# KiCad board Partial_Drawer_Controller_v1_hotfix.kicad_pcb (continued)
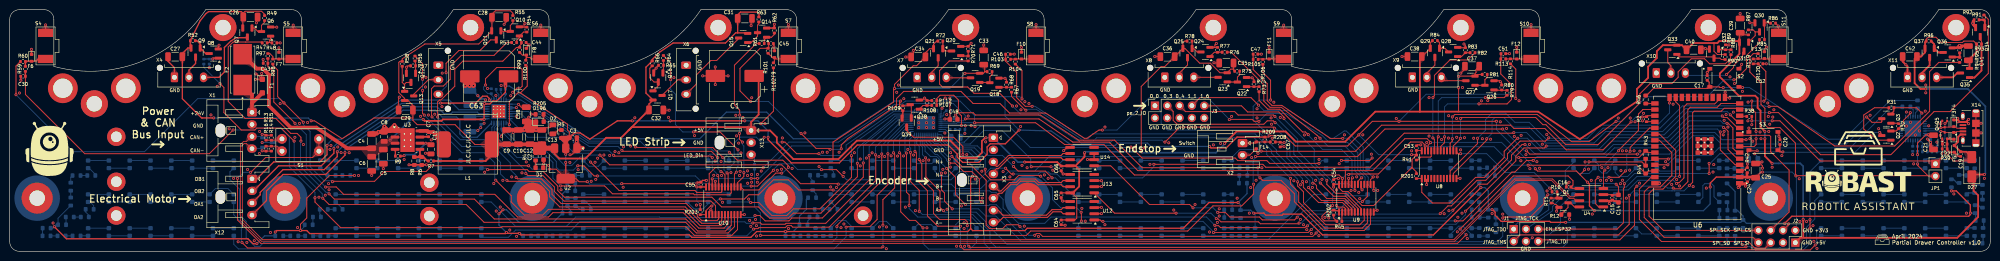
[diagram p0: board, top side]
## Placement (name value [footprint] x y rotation side) (continued)
R29  0  [R_0603_1608Metric]  391.4 29.9 0 bottom
R30  0  [R_0603_1608Metric]  393.7 30.4 270 bottom
R31  10K  [R_0402_1005Metric]  388.3 29.7 180 top
R32  10K  [R_0402_1005Metric]  389.8 25.9 270 top
R33  22K  [R_0402_1005Metric]  397.21 20.6 180 bottom
R34  100  [R_0402_1005Metric]  395.21 20.6 180 bottom
R35  47K  [R_0402_1005Metric]  395.19 21.7 0 bottom
R36  470  [R_0402_1005Metric]  397.21 21.7 0 bottom
R37  1K  [R_0402_1005Metric]  393.7 21.21 270 bottom
R38  1K  [R_0402_1005Metric]  358.99 27.9 0 top
R39  10K  [R_0402_1005Metric]  399.3 21.2 0 top
R40  10K  [R_0402_1005Metric]  392.7 21.21 270 bottom
R41  10K  [R_0402_1005Metric]  290.3 19.4 270 top
R42  10K  [R_0402_1005Metric]  358.57 16.81 90 top
R43  2K7  [R_0603_1608Metric]  337.6 19.98 90 top
R44  2K7  [R_0603_1608Metric]  337.6 16.9 270 top
R45  10K  [R_0402_1005Metric]  274.4 6.2 0 top
R46  22  [R_0603_1608Metric]  337.6 31.4 90 top
R47  100  [R_0402_1005Metric]  52.63 43.12 0 top
R48  10K  [R_0402_1005Metric]  54.63 43.12 0 top
R49  10K  [R_0402_1005Metric]  52.61 48.26 270 top
R50  100  [R_0402_1005Metric]  40.06 39.27 90 bottom
R51  10K  [R_0402_1005Metric]  41.2 39.27 270 bottom
R52  10K  [R_0402_1005Metric]  37.78 43.58 0 top
R53  100  [R_0402_1005Metric]  104.1 43.2 0 top
R54  10K  [R_0402_1005Metric]  106.71 45.88 90 top
R55  10K  [R_0402_1005Metric]  103.84 48.27 270 top
R56  100  [R_0402_1005Metric]  83.63 39.9 270 top
R57  10K  [R_0402_1005Metric]  83.25 38.38 180 top
R58  10K  [R_0402_1005Metric]  81 38.8 270 top
R59  10K  [R_0402_1005Metric]  3.24 37.74 90 top
R60  100K  [R_0402_1005Metric]  2.73 39.27 0 top
R61  100  [R_0402_1005Metric]  155.2 43 0 top
R62  10K  [R_0402_1005Metric]  157.8 45.69 90 top
R63  10K  [R_0402_1005Metric]  154.6 47.98 270 top
R64  100  [R_0402_1005Metric]  134.9 40.01 270 top
R65  10K  [R_0402_1005Metric]  134.41 38.5 180 top
R66  10K  [R_0402_1005Metric]  132.6 38.89 270 top
R67  100  [R_0402_1005Metric]  206.75 33.45 90 top
R68  10K  [R_0402_1005Metric]  205.7 34.48 90 top
R69  10K  [R_0402_1005Metric]  202.22 37.17 0 top
R70  100  [R_0402_1005Metric]  197.8 39.9 90 top
R71  10K  [R_0402_1005Metric]  197.8 41.91 90 top
R72  10K  [R_0402_1005Metric]  192.06 43.5 0 top
R73  100  [R_0402_1005Metric]  257.82 33.55 90 top
R74  10K  [R_0402_1005Metric]  256.77 34.58 90 top
R75  10K  [R_0402_1005Metric]  253.3 37.27 0 top
R76  100  [R_0402_1005Metric]  250.73 41.2 180 top
R77  10K  [R_0402_1005Metric]  249.25 41.69 90 top
R78  10K  [R_0402_1005Metric]  243.48 43.5 0 top
R79  100  [R_0402_1005Metric]  309 32.81 90 top
R80  10K  [R_0402_1005Metric]  307.9 33.89 90 top
R81  10K  [R_0402_1005Metric]  304.39 36.6 0 top
R82  100  [R_0402_1005Metric]  301.89 41.1 180 top
R83  10K  [R_0402_1005Metric]  300.4 41.61 90 top
R84  10K  [R_0402_1005Metric]  294.11 43.6 0 top
R85  100  [R_0402_1005Metric]  361.6 43.8 0 top
R86  10K  [R_0402_1005Metric]  363.89 47.2 0 top
R87  10K  [R_0402_1005Metric]  358.8 45.3 90 top
R88  100  [R_0402_1005Metric]  355.2 41.2 90 top
R89  10K  [R_0402_1005Metric]  354.1 42.21 90 top
R90  10K  [R_0402_1005Metric]  354 40.2 270 top
R91  100  [R_0402_1005Metric]  407.4 48.39 270 top
R92  10K  [R_0402_1005Metric]  405.88 47.9 180 top
R93  10K  [R_0402_1005Metric]  406.4 42.9 0 top
R94  100  [R_0402_1005Metric]  402.4 39.61 90 top
R95  10K  [R_0402_1005Metric]  402.4 41.59 90 top
R96  10K  [R_0402_1005Metric]  396 43.5 0 top
R97  10K  [R_0402_1005Metric]  53.28 40.41 90 top
R98  100K  [R_0402_1005Metric]  54.3 39.27 90 top
R99  10K  [R_0402_1005Metric]  105.22 41.68 270 top
R100  100K  [R_0402_1005Metric]  106.49 39.01 90 top
R101  10K  [R_0402_1005Metric]  156.5 41.5 270 top
R102  100K  [R_0402_1005Metric]  157.6 38.49 90 top
R103  10K  [R_0402_1005Metric]  206.03 39.73 0 top
R104  100K  [R_0402_1005Metric]  207.53 39.26 90 top
R105  10K  [R_0402_1005Metric]  257.11 39.7 0 top
R106  100K  [R_0402_1005Metric]  258.6 39.2 90 top
R107  100  [R_0402_1005Metric]  190.8 30.2 180 top
R108  10K  [R_0402_1005Metric]  189.3 30.7 90 top
R109  10K  [R_0402_1005Metric]  184.3 29.6 90 top
R110  2K2  [R_0402_1005Metric]  194.6 25.2 0 bottom
R111  220  [R_0402_1005Metric]  196.61 25.2 0 bottom
R112  100K  [R_0402_1005Metric]  190.8 31.2 0 top
R113  10K  [R_0402_1005Metric]  308.21 39.8 0 top
R114  100K  [R_0402_1005Metric]  309.7 39.31 90 top
R115  10  [R_0603_1608Metric]  7.62 4.8 180 bottom
R116  10  [R_0603_1608Metric]  7.6 3.2 0 bottom
R117  10  [R_0603_1608Metric]  10.7 3.2 0 bottom
R118  10  [R_0603_1608Metric]  13.8 3.2 0 bottom
R119  10K  [R_0402_1005Metric]  359.8 39.3 90 top
R120  100K  [R_0402_1005Metric]  360.8 40.39 270 top
R121  10  [R_0603_1608Metric]  61.7 5.5 0 bottom
R122  10  [R_0603_1608Metric]  63.4 7.1 0 bottom
R123  10  [R_0603_1608Metric]  64.81 8.68 0 bottom
R124  10  [R_0603_1608Metric]  67.88 8.69 0 bottom
R125  10  [R_0603_1608Metric]  69.47 15.71 180 bottom
R126  10  [R_0603_1608Metric]  66.42 15.7 180 bottom
R127  10  [R_0603_1608Metric]  64.1 18.02 90 bottom
R128  10  [R_0603_1608Metric]  65.7 18 270 bottom
R129  10  [R_0603_1608Metric]  106.78 3.2 0 bottom
R130  10  [R_0603_1608Metric]  109.85 3.2 0 bottom
R131  10  [R_0603_1608Metric]  112.88 3.2 0 bottom
R132  10  [R_0603_1608Metric]  115.95 3.2 0 bottom
R133  10  [R_0603_1608Metric]  114.9 7.9 0 bottom
R134  10  [R_0603_1608Metric]  115.1 10.2 90 bottom
R135  10  [R_0603_1608Metric]  116.75 10.2 270 bottom
R136  10  [R_0603_1608Metric]  119.1 8.7 0 bottom
R137  10  [R_0603_1608Metric]  115.88 12.52 0 bottom
R138  10  [R_0603_1608Metric]  115.88 14.06 180 bottom
R139  10  [R_0603_1608Metric]  115.87 15.7 0 bottom
R140  10  [R_0603_1608Metric]  118.92 15.71 0 bottom
R141  10  [R_0603_1608Metric]  160.93 3.2 0 bottom
R142  10  [R_0603_1608Metric]  164 3.2 0 bottom
R143  10  [R_0603_1608Metric]  166.3 4 90 bottom
R144  10  [R_0603_1608Metric]  167.9 4 270 bottom
R145  10  [R_0603_1608Metric]  163.8 5.5 0 bottom
R146  10  [R_0603_1608Metric]  165.88 7.1 0 bottom
R147  10  [R_0603_1608Metric]  166.96 8.7 0 bottom
R148  10  [R_0603_1608Metric]  170 8.7 0 bottom
R149  10  [R_0603_1608Metric]  165.57 11.1 0 bottom
R150  10  [R_0603_1608Metric]  165.7 13.48 90 bottom
R151  10  [R_0603_1608Metric]  165.99 15.74 0 bottom
R152  10  [R_0603_1608Metric]  169.18 15.7 0 bottom
R153  10  [R_0603_1608Metric]  257 4 270 bottom
R154  10  [R_0603_1608Metric]  255.4 4 90 bottom
R155  10  [R_0603_1608Metric]  253.8 4.03 270 bottom
R156  10  [R_0603_1608Metric]  252.2 4.03 90 bottom
R157  10  [R_0603_1608Metric]  254 7.7 270 bottom
R158  10  [R_0603_1608Metric]  251.46 7 180 bottom
R159  10  [R_0603_1608Metric]  251.45 8.6 0 bottom
R160  10  [R_0603_1608Metric]  252.19 10.97 90 bottom
R161  10  [R_0603_1608Metric]  254.5 14.1 180 bottom
R162  10  [R_0603_1608Metric]  254.57 15.7 0 bottom
R163  10  [R_0603_1608Metric]  254.62 17.3 180 bottom
R164  10  [R_0603_1608Metric]  252.21 17.98 90 bottom
R165  10  [R_0603_1608Metric]  306.7 7.8 270 bottom
R166  10  [R_0603_1608Metric]  306.7 4.78 270 bottom
R167  10  [R_0603_1608Metric]  305 4 270 bottom
R168  10  [R_0603_1608Metric]  303.27 3.99 90 bottom
R169  10  [R_0603_1608Metric]  305.12 7.8 270 bottom
R170  10  [R_0603_1608Metric]  302.53 7.04 180 bottom
R171  10  [R_0603_1608Metric]  302.54 8.6 0 bottom
R172  10  [R_0603_1608Metric]  303.26 10.99 90 bottom
R173  10  [R_0603_1608Metric]  303.29 14.92 90 bottom
R174  10  [R_0603_1608Metric]  305.69 15.64 0 bottom
R175  10  [R_0603_1608Metric]  305.69 17.3 180 bottom
R176  10  [R_0603_1608Metric]  303.29 17.99 90 bottom
R177  10  [R_0603_1608Metric]  357.7 5.67 270 bottom
R178  10  [R_0603_1608Metric]  356.05 4.02 270 bottom
R179  10  [R_0603_1608Metric]  355.29 1.7 180 bottom
R180  10  [R_0603_1608Metric]  354.4 4.02 90 bottom
R181  10  [R_0603_1608Metric]  356.05 7.58 270 bottom
R182  10  [R_0603_1608Metric]  353.63 6.88 180 bottom
R183  10  [R_0603_1608Metric]  353.63 8.53 0 bottom
R184  10  [R_0603_1608Metric]  354.38 10.99 90 bottom
R185  10  [R_0603_1608Metric]  354.4 14.88 90 bottom
R186  10  [R_0603_1608Metric]  356.75 15.52 0 bottom
R187  10  [R_0603_1608Metric]  356.75 17.17 180 bottom
R188  10  [R_0603_1608Metric]  354.4 17.99 90 bottom
R189  10  [R_0603_1608Metric]  406.53 6.37 0 bottom
R190  10  [R_0603_1608Metric]  407.23 4.02 270 bottom
R191  10  [R_0603_1608Metric]  406.28 1.67 180 bottom
R192  10  [R_0603_1608Metric]  405.46 4.01 90 bottom
R193  10  [R_0603_1608Metric]  405.58 8.72 90 bottom
R194  10  [R_0603_1608Metric]  407.1 9.87 90 bottom
R195  10  [R_0603_1608Metric]  407.1 12.91 90 bottom
R196  10  [R_0603_1608Metric]  405.45 12.91 270 bottom
R197  10  [R_0603_1608Metric]  400.7 14.08 90 bottom
R198  10  [R_0603_1608Metric]  402.3 14.98 90 bottom
R199  10  [R_0603_1608Metric]  404.6 15.7 0 bottom
R200  10  [R_0603_1608Metric]  405.5 18 90 bottom
R201  10K  [R_0402_1005Metric]  290.29 15.56 270 top
R202  10K  [R_0402_1005Metric]  273.21 8.02 90 top
R203  10K  [R_0402_1005Metric]  142.5 8.1 270 top
R204  100K  [R_0402_1005Metric]  99.38 33.14 90 bottom
R205  4K7  [R_0603_1608Metric]  109.35 28.34 0 top
R206  330m  [R_1210_3225Metric]  94.96 26.2 270 bottom
R207  330m  [R_1210_3225Metric]  94.96 31.7 90 bottom
R208  10K  [R_0402_1005Metric]  260.67 22.63 180 top
R209  100K  [R_0402_1005Metric]  259.02 23.14 270 top
S1  -  [DSWB02LHGET]  60 22 0 top
S2  TS-1187A-B-A-B  [SW_TS-1187]  353.84 35.9 0 top
S3  TS-1187A-B-A-B  [SW_TS-1187]  361.9 22.83 0 top
S4  KSS321G  [Switch_KSS_Side_Actuated]  7.4 42.5 90 top
S5  KSS321G  [Switch_KSS_Side_Actuated]  58.49 42.5 90 top
S6  KSS321G  [Switch_KSS_Side_Actuated]  109.58 42.5 90 top
S7  KSS321G  [Switch_KSS_Side_Actuated]  160.67 42.5 90 top
S8  KSS321G  [Switch_KSS_Side_Actuated]  211.76 42.5 90 top
S9  KSS321G  [Switch_KSS_Side_Actuated]  262.85 42.5 90 top
S10  KSS321G  [Switch_KSS_Side_Actuated]  313.94 42.5 90 top
S11  KSS321G  [Switch_KSS_Side_Actuated]  365.03 42.5 90 top
U1  PESD2CANFD24L-TR  [SOT23]  53.32 22.5 0 bottom
U2  AMS1117-3.3  [SOT-223-3_TabPin2]  114.75 18.18 270 top
U3  LMR33630  [Texas_R-PDSO-G8_EP2.95x4.9mm_Mask2.4x3.1mm_ThermalVias]  82.09 23.01 0 top
U4  SN65HVD230  [SOIC-8_3.9x4.9mm_P1.27mm]  326.4 11.1 180 top
U5  CP2102N-A02-GQFN28R  [QFN-28-1EP_5x5mm_P0.5mm_EP3.35x3.35mm]  392.75 25.4 180 bottom
U6  ESP32-WROOM-32E-N8  [ESP32-WROOM-32E]  348.25 19.35 180 top
U7  LP5030RJVR  [VQFN-46-1EP_5x6mm_P0.4mm_EP2.8x3.8mm]  189.1 26.6 90 bottom
U8  PCA9535PW,118  [TSSOP-24_4.4x7.8mm_P0.65mm]  294.98 17.94 90 top
U9  PCA9535PW,118  [TSSOP-24_4.4x7.8mm_P0.65mm]  277.9 10.99 90 top
U10  PCA9535PW,118  [TSSOP-24_4.4x7.8mm_P0.65mm]  147.28 10.46 90 top
U11  TMC2209-LA  [QFN-28-1EP_5x5mm_P0.5mm_EP3.1x3.1mm_ThermalVias]  100.94 28.95 270 bottom
U12  SN75176BDR  [SOIC-8_3.9x4.9mm_P1.27mm]  221.32 8.41 180 top
U13  SN75176BDR  [SOIC-8_3.9x4.9mm_P1.27mm]  221.32 14.01 180 top
U14  SN75176BDR  [SOIC-8_3.9x4.9mm_P1.27mm]  221.3 19.6 180 top
X1  Conn_01x04_2.5mm_JST_S04B-XASK-1  [JST_XA_S04B-XASK-1_1x04_P2.50mm_Horizontal]  50 28.75 270 top
X2  Conn_01x02_2.5mm_JST_S02B-XASS-1N-BN  [JST_XA_S02B-XASK-1N-BN_1x02_P2.50mm_Horizontal]  254.4 22.4 270 top
X3  Conn_01x08_2.5mm_JST_S04B-XASK-1  [JST_XA_S08B-XASK-1_1x08_P2.50mm_Horizontal]  203 23.5 270 top
X4  Conn_01x03_3.0mm_Molex_Micro_Fit  [Molex_Micro-Fit_3.0_43650-0315_1x03_P3.00mm_Vertical]  34 36 0 top
X5  Conn_01x03_3.0mm_Molex_Micro_Fit  [Molex_Micro-Fit_3.0_43650-0315_1x03_P3.00mm_Vertical]  88.46 38.5 270 top
X6  Conn_01x03_3.0mm_Molex_Micro_Fit  [Molex_Micro-Fit_3.0_43650-0315_1x03_P3.00mm_Vertical]  139.59 38.5 270 top
X7  Conn_01x03_3.0mm_Molex_Micro_Fit  [Molex_Micro-Fit_3.0_43650-0315_1x03_P3.00mm_Vertical]  187.27 36 0 top
X8  Conn_01x03_3.0mm_Molex_Micro_Fit  [Molex_Micro-Fit_3.0_43650-0315_1x03_P3.00mm_Vertical]  238.36 36 0 top
X9  Conn_01x03_3.0mm_Molex_Micro_Fit  [Molex_Micro-Fit_3.0_43650-0315_1x03_P3.00mm_Vertical]  289.45 36 0 top
X10  Conn_01x03_3.0mm_Molex_Micro_Fit  [Molex_Micro-Fit_3.0_43650-0315_1x03_P3.00mm_Vertical]  339.8 36.9 0 top
X11  Conn_01x03_3.0mm_Molex_Micro_Fit  [Molex_Micro-Fit_3.0_43650-0315_1x03_P3.00mm_Vertical]  391.63 36 0 top
X12  Conn_01x04_2.5mm_JST_S04B-XASK-1  [JST_XA_S04B-XASK-1_1x04_P2.50mm_Horizontal]  50 15 270 top
X13  Conn_01x03_2.5mm_JST_S04B-XASK-1  [JST_XA_S03B-XASK-1_1x03_P2.50mm_Horizontal]  153 25 270 top
X14  USB-Micro  [AMPHENOL_USB_Micro_10118194-0001LF]  405.75 25.48 90 top

## Library data of the parts
C1 C63 = -: Datasheet: https://www.mouser.de/datasheet/2/231/161587245243-2307006.pdf; Description: Aluminum Electrolytic Capacitor 100uF 80V ±20% SMD,D10xL10mm; MF: Lelon; MPN: VZH101M1KTR-1010; OC_LCSC: C249838; OC_MOUSER: 140-VZH101M1KTR1010
C2 C3 = -: Datasheet: https://product.samsungsem.com/mlcc/CL10A106MA8NRN.do; MF: Samsung Electro-Mechanics; MPN: CL10A106MA8NRNC; OC_LCSC: C96446
C4-C6 C21 = -: MF: FH; MPN: 1206B475K500NT; OC_LCSC: C29823
C7 C15-C20 C22 C24 C49 = -: Datasheet: https://product.samsungsem.com/mlcc/CL05B104KB54PN.do; MF: Samsung Electro-Mechanics; MPN: CL05B104KB54PNC; OC_LCSC: C307331
C8 = -: Datasheet: https://product.samsungsem.com/mlcc/CL21B224KBFNNN.do; MF: Samsung Electro-Mechanics; MPN: CL21B224KBFNNNE; OC_LCSC: C5378
C9 C10 C12 C13 C25 = -: Datasheet: https://product.samsungsem.com/mlcc/CL31A226KAHNNN.do; MF: Samsung Electro-Mechanics; MPN: CL31A226KAHNNNE; OC_LCSC: C12891
C11 C23 = -: Datasheet: https://product.samsungsem.com/mlcc/CL21B105KBFNNN.do; MF: Samsung Electro-Mechanics; MPN: CL21B105KBFNNNE; OC_LCSC: C28323
C14 C48 = -: Datasheet: https://product.samsungsem.com/mlcc/CL10A106MA8NRN.do; Description: Capacitor 10uF 25V X5R 20% 0603; MF: Samsung Electro-Mechanics; MPN: CL10A106MA8NRNC; OC_LCSC: C96446
C26-C29 C31-C42 = -: Datasheet: https://product.samsungsem.com/mlcc/CL31A226KAHNNN.do; Description: Capacitor 22uF 25V X7R 10% 1206; MF: Samsung Electro-Mechanics; MPN: CL31A226KAHNNNE; OC_LCSC: C12891
C30 C43-C47 C51-C56 C59-C62 C64-C67 = -: Datasheet: https://product.samsungsem.com/mlcc/CL05B104KB54PN.do; Description: Capacitor 100nF 50V X7R 10% 0402; MF: Samsung Electro-Mechanics; MPN: CL05B104KB54PNC; OC_LCSC: C307331
C50 = -: Datasheet: https://product.samsungsem.com/mlcc/CL21B105KBFNNN.do; Description: Capacitor 1uF 50V X7R 10% 0805; MF: Samsung Electro-Mechanics; MPN: CL21B105KBFNNNE; OC_LCSC: C28323
C57 = -: Datasheet: https://wmsc.lcsc.com/wmsc/upload/file/pdf/v2/lcsc/2304140030_FH--Guangdong-Fenghua-Advanced-Tech-0402B223K500NT_C1532.pdf; Description: Capacitor 22nF 50V X7R 10% 0402; MF: FH; MPN: 0402B223K500NT; OC_LCSC: C1532
C58 = -: Description: Capacitor 4.7uF 50V X7R 10% 1206; MF: FH; MPN: 1206B475K500NT; OC_LCSC: C29823
D1 = -: Datasheet: https://datasheet.lcsc.com/lcsc/1810231112_Hubei-KENTO-Elec-KT-0603R_C2286.pdf; MF: Hubei KENTO Elec; MPN: KT-0603R; OC_LCSC: C2286
D2 = -: Datasheet: https://datasheet.lcsc.com/lcsc/1806151129_Hubei-KENTO-Elec-KT-0805Y_C2296.pdf; MF: Hubei KENTO Elec; MPN: KT-0805Y; OC_LCSC: C2296
D3-D26 D28-D195 = -: Datasheet: https://datasheet.lcsc.com/lcsc/2305091500_Hubei-KENTO-Elec-KT-0603W_C2290.pdf; Description: LED Red 0603; MF: Hubei KENTO Elec; MPN: KT-0603W; OC_LCSC: C2290
D27 = -: Datasheet: https://datasheet.lcsc.com/lcsc/2303141100_MDD-Microdiode-Electronics--SS34_C8678.pdf; MF: MDD; OC_LCSC: C8678
D196 = -: Datasheet: https://datasheet.lcsc.com/lcsc/1810231112_Hubei-KENTO-Elec-KT-0603R_C2286.pdf; Description: LED Red 0603; MF: Hubei KENTO Elec; MPN: KT-0603R; OC_LCSC: C2286
F1 = -: Datasheet: https://datasheet.lcsc.com/lcsc/2205231816_Liown-SMF30CA_C2990493.pdf; MF: Liown; OC_LCSC: C2990493
F2 = -: Datasheet: https://datasheet.lcsc.com/lcsc/2304140030_Littelfuse-0154002-DRT_C206911.pdf; Description: SMD Fuse NANO 154 OMNI-BLOK Fuse and Holder Combination; MF: Littelfuse; MPN: 0154002.DRT; OC_LCSC: C206911
F3-F5 = -: Datasheet: https://datasheet.lcsc.com/lcsc/1912111437_LRC-LESD5D5-0CT1G_C383211.pdf; MF: LRC; OC_LCSC: C383211
F6-F14 = -: Datasheet: https://datasheet.lcsc.com/lcsc/1912111437_LRC-LESD5D5-0CT1G_C383211.pdf; Description: 5V 150W TVS Diode Bi-Directional; MF: LRC; OC_LCSC: C383211
H1-H46 = -: Description: Mounting Hole without connection; ki_fp_filters: MountingHole*
J1 = -: Description: Generic connector, double row, 02x03, odd/even pin numbering scheme (row 1 odd numbers, row 2 even numbers), script generated (kicad-library-utils/schlib/autogen/connector/); ki_fp_filters: Connector*:*_2x??_*
J2 = -: Description: Generic connector, double row, 02x04, odd/even pin numbering scheme (row 1 odd numbers, row 2 even numbers), script generated (kicad-library-utils/schlib/autogen/connector/); ki_fp_filters: Connector*:*_2x??_*
J3 = -: Description: Generic connector, double row, 02x05, odd/even pin numbering scheme (row 1 odd numbers, row 2 even numbers), script generated (kicad-library-utils/schlib/autogen/connector/); ki_fp_filters: Connector*:*_2x??_*
JP1 = -: ki_fp_filters: Jumper* TestPoint*2Pads* TestPoint*Bridge*
L1 = -: Datasheet: https://datasheet.lcsc.com/lcsc/2108131530_SXN-Shun-Xiang-Nuo-Elec-SMDRI127-150MT_C40000.pdf; MF: SXN(Shun Xiang Nuo Elec); MPN: SMDRI127-150MT; OC_LCSC: C40000
Q1 Q6 Q8 Q10 Q12 Q14 Q16 Q18 Q20 Q22 Q24 Q26 Q28 Q30 Q32 Q34 Q36 Q38 = -: Datasheet: https://datasheet.lcsc.com/lcsc/1811081213_Alpha---Omega-Semicon-AO3400A_C20917.pdf; Description: 30V 5.7A 26.5mΩ@10V,5.7A 1.4W N Channel SOT-23-3L MOSFET; MF: Alpha & Omega Semicon; OC_LCSC: C20917
Q2 Q3 = -: Datasheet: https://datasheet.lcsc.com/lcsc/2304140030_Jiangsu-Changjing-Electronics-Technology-Co---Ltd--SS8050_C2150.pdf; MF: Jiangsu Changjing Electronics Technology; OC_LCSC: C2150
Q4 Q5 = -: Datasheet: https://datasheet.lcsc.com/lcsc/2304140030_Diodes-Incorporated-2N7002T-7-F_C139445.pdf; MF: Diodes Incorporated; OC_LCSC: C139445
Q7 Q9 Q11 Q13 Q15 Q17 Q19 Q21 Q23 Q25 Q27 Q29 Q31 Q33 Q35 Q37 Q39 = -: Datasheet: https://datasheet.lcsc.com/lcsc/1810171817_Alpha---Omega-Semicon-AO3401A_C15127.pdf; Description: 30V 4A 44mΩ@10V,4.3A 1.4W P Channel SOT-23 MOSFET; MF: Alpha & Omega Semicon; OC_LCSC: C15127
R1 R11 R41 R45 R48 R49 R51 R52 R54 R55 R57-R59 R62 R63 R65 R66 R68 R69 R71 R72 R74 R75 R77 R78 R80 R81 R83 R84 R86 R87 R89 R90 R92 R93 R95-R97 R99 R101 R103 R105 R108 R109 R113 R119 R201-R203 R208 = -: Description: Resistor 10K 1% 62.5mW 50V 0402; MF: UNI-ROYAL; MPN: 0402WGF1002TCE; OC_LCSC: C25744
R2 = -: Description: Resistor 1K 1% 62.5mW 50V 0402; MF: UNI-ROYAL; MPN: 0402WGF1001TCE; OC_LCSC: C11702
R3 = -: Description: Resistor 330 1% 62.5mW 50V 0402; MF: UNI-ROYAL; MPN: 0402WGF3300TCE; OC_LCSC: C25104
R4 R5 = -: Datasheet: https://datasheet.lcsc.com/lcsc/2206010100_UNI-ROYAL-Uniroyal-Elec-0603WAF4701T5E_C23162.pdf; MF: UNI-ROYAL; MPN: 0603WAF4701T5E; OC_LCSC: C23162
R6 = -: MF: UNI-ROYAL; MPN: 0603WAF2702T5E; OC_LCSC: C22967
R7 R9 = -: MF: UNI-ROYAL; MPN: 0402WGF1003TCE; OC_LCSC: C25741
R8 = -: MF: UNI-ROYAL; MPN: 0603WAF3303T5E; OC_LCSC: C23137
R10 R47 R50 R53 R56 R61 R64 R67 R70 R73 R76 R79 R82 R85 R88 R91 R94 R107 = -: Description: Resistor 100 1% 62.5mW 50V 0402; MF: UNI-ROYAL; MPN: 0402WGF1000TCE; OC_LCSC: C25076
R12 = -: Description: Resistor 10K 1% 100mW 75V 0603; MF: UNI-ROYAL; MPN: 0603WAF1002T5E; OC_LCSC: C25804
R13-R16 = -: Description: Resistor 120 1% 62.5mW 50V 0402; MF: UNI-ROYAL; MPN: 0402WGF1200TCE; OC_LCSC: C25079
R17-R28 R115-R118 R121-R200 = -: Description: Resistor 10 1% 100mW 75V 0603; MF: UNI-ROYAL; MPN: 0603WAF100JT5E; OC_LCSC: C22859
R29 R30 = -: Datasheet: https://datasheet.lcsc.com/lcsc/2206010100_UNI-ROYAL-Uniroyal-Elec-0603WAF0000T5E_C21189.pdf; MF: UNI-ROYAL; MPN: 0603WAF0000T5E; OC_LCSC: C21189
R31 R32 R39 R40 R42 = -: MF: UNI-ROYAL; MPN: 0402WGF1002TCE; OC_LCSC: C25744
R33 = -: MF: UNI-ROYAL; MPN: 0402WGF2202TCE; OC_LCSC: C25768
R34 = -: MF: UNI-ROYAL; MPN: 0402WGF1000TCE; OC_LCSC: C25076
R35 = -: MF: UNI-ROYAL; MPN: 0402WGF4702TCE; OC_LCSC: C25792
R36 = -: MF: UNI-ROYAL; MPN: 0402WGF4700TCE; OC_LCSC: C25117
R37 R38 = -: MF: UNI-ROYAL; MPN: 0402WGF1001TCE; OC_LCSC: C11702
R43 R44 = -: Description: Resistor 2K7 1% 100mW 75V 0603; MF: UNI-ROYAL; MPN: 0603WAF2701T5E; OC_LCSC: C13167
R46 = -: Datasheet: https://datasheet.lcsc.com/lcsc/2206010100_UNI-ROYAL-Uniroyal-Elec-0603WAF220JT5E_C23345.pdf; MF: UNI-ROYAL; MPN: 0603WAF220JT5E; OC_LCSC: C23345
R60 R98 R100 R102 R104 R106 R112 R114 R120 R204 R209 = -: Description: Resistor 100K 1% 62.5mW 50V 0402; MF: UNI-ROYAL; MPN: 0402WGF1003TCE; OC_LCSC: C25741
R110 = -: Description: Resistor 2K2 1% 62.5mW 50V 0402; MF: UNI-ROYAL; MPN: 0402WGF2201TCE; OC_LCSC: C25879
R111 = -: Description: Resistor 220 1% 62.5mW 50V 0402; MF: UNI-ROYAL; MPN: 0402WGF2200TCE; OC_LCSC: C25091
R205 = -: Datasheet: https://datasheet.lcsc.com/lcsc/2206010100_UNI-ROYAL-Uniroyal-Elec-0603WAF4701T5E_C23162.pdf; Description: Resistor 4K7 1% 100mW 75V 0603; MF: UNI-ROYAL; MPN: 0603WAF4701T5E; OC_LCSC: C23162
R206 R207 = -: Datasheet: https://wmsc.lcsc.com/wmsc/upload/file/pdf/v2/lcsc/2201181800_FOJAN-FRL1210FR330TS_C2960935.pdf; Description: Resistor 330mΩ 1% 500mW 500V 1210; MF: FOJAN; MPN: FRL1210FR330TS; OC_LCSC: C2960935
S1 = -: Datasheet: https://datasheet.lcsc.com/lcsc/2309061745_DongGuan-KINGTEK-Industrial-Co--LTD-DSWB02LHGET_C99421.pdf; Description: 2Bit SPST Red Slide; MF: DongGuan KINGTEK Industrial Co.,LTD; OC_LCSC: C99421
S2 S3 = -: Datasheet: https://datasheet.lcsc.com/lcsc/2304140030_XKB-Connectivity-TS-1187A-B-A-B_C318884.pdf; MF: XKB Connectivity; OC_LCSC: C318884
S4-S11 = -: Datasheet: https://www.mouser.de/datasheet/2/240/kss-3050889.pdf; Description: Dip Tactile Switch Side Actuated 32V 50mA 2N Force 0.3mm Travel 100,000 Operations; MF: C&K; MPN: KSS321GLFS; OC_LCSC: C221796
U1 = -: Datasheet: https://www.mouser.de/datasheet/2/916/PESD2CANFD24L_T-1892242.pdf; Description: ESD-Entstörer/TVS-Dioden PESD2CANFD24L-T/SOT23/TO-236AB; MF: Nexperia; PACKAGE: TO-236-3 Nexperia USA Inc.; PRICE: None; Package: None; Check_prices: https://www.snapeda.com/parts/PESD2CAN215/Nexperia/view-part/?ref=eda; Price: None; SnapEDA_Link: https://www.snapeda.com/parts/PESD2CAN215/Nexperia/view-part/?ref=snap; MP: PESD2CAN215; Availability: Not in stock; AVAILABILITY: In Stock; Description_1: DIODE, TVS, CAN, SOT-23; Clamping Voltage Vc Max:41V; Diode Case Style:SOT-23; No. of Pins:3Pins; Operating Voltage:24V; Power Dissipation Pd:-; Product Range:PESD2 Series; Automotive Qualification Standard:-; SVHC:No SVHC (27-Jun-2018); Breakdown Voltage:28V; Breakdown Voltage Max:30.3V; Breakdown Voltage Min:26.2V; Breakdown Voltage Range:26.2V to 30.3V; Breakover Voltage Min:26.2V; Capacitance Cd @ Vr Max:30pF; Capacitance Cd @ Vr Typ:25pF; Clamping Voltage @ 8/20µs Max:41V; Diode Type:Bidirectional TVS; Operating Temperature Max:150°C; Operating Temperature Min:-65°C; Operating Temperature Range:-65°C to +150°C; Peak Pulse Current Ippm:5A; Peak Pulse Power Dissipation:230W; Reverse Stand-Off Voltage Vrwm:24V; SMD Marking:6R; Stand-off Voltage:24V; TVS Polarity:Bidirectional; Termination Type:Surface Mount Device; MF_1: Nexperia; OC_LCSC: C3711787
U2 = -: Datasheet: http://www.advanced-monolithic.com/pdf/ds1117.pdf; MF: Advanced Monolithic Systems; OC_LCSC: C6186
U3 = -: Datasheet: https://www.ti.com/lit/ds/symlink/lmr33630.pdf; MF: TI; MPN: LMR33630ADDAR; OC_LCSC: C841384
U4 = -: Datasheet: http://www.ti.com/lit/ds/symlink/sn65hvd230.pdf; Description: CAN Bus Transceivers, 3.3V, 1Mbps, Low-Power capabilities, SOIC-8; MF: TI; MPN: SN65HVD230DR; OC_LCSC: C12084
U5 = -: Datasheet: https://www.silabs.com/documents/public/data-sheets/cp2102n-datasheet.pdf; Description: USB UART Interface; MF: SILICON LABS; OC_LCSC: C964632
U6 = -: Datasheet: https://www.espressif.com/sites/default/files/documentation/esp32-wroom-32e_esp32-wroom-32ue_datasheet_en.pdf; Description: ESP32-WROOM-32E-N8, 8 MB Flash, PCB Antenna; PARTREV: 1.4; MANUFACTURER: Espressif Systems; MAXIMUM_PACKAGE_HEIGHT: 3.25mm; STANDARD: Manufacturer Recommendations; MF: Espressif Systems; OC_LCSC: C701342
U7 = -: Datasheet: https://www.ti.com/lit/ds/symlink/lp5030.pdf; Description: 30-Channel 12-Bit PWM Ultra-low Quiescent Current I2C RGB LED Driver; MF: TI; OC_LCSC: C1850306
U8-U10 = -: Datasheet: https://wmsc.lcsc.com/wmsc/upload/file/pdf/v2/lcsc/2304140030_NXP-Semicon-PCA9535PW-118_C255606.pdf; Description: 16xI/O Expander 400kHz TSSOP-24; MF: NXP USA; PACKAGE: TSSOP-24; Price: None; Package: TSSOP-24 NXP Semiconductors; OC_FARNELL: -; SUPPLIER: NXP; OC_NEWARK: 70R6541; MF_1: NXP Semicon; OC_LCSC: C255606
U11 = -: Datasheet: https://www.analog.com/media/en/technical-documentation/data-sheets/TMC2209_datasheet_rev1.09.pdf; Description: TMC2209 Silent stepper motor driver with stealthChop2 and spreadCycle for efficient performance; PARTREV: 1.08; STANDARD: IPC-7351B; MAXIMUM_PACKAGE_HEIGHT: 0.90mm; MANUFACTURER: Trinamic; MF: TRINAMIC Motion Control GmbH; OC_LCSC: C465949
U12-U14 = -: Datasheet: https://www.ti.com/lit/ds/slls101h/slls101h.pdf; Description: Bidirectional Differential Bus Transceiver; MF: TI; OC_LCSC: C7063
X1 X12 = -: Datasheet: https://wmsc.lcsc.com/wmsc/upload/file/pdf/v2/lcsc/2304140030_JST-S04B-XASK-1-LF-SN_C265097.pdf; Description: JST pin header (standard) XA total number of poles 4 Pitch: 2.50mm S04B-XASK-1 (LF)(SN); MF: JST; MPN: S04B-XASK-1(LF)(SN); OC_CONRAD: 741407 - VQ; OC_LCSC: C265097; OC_RS: 166-7451
X2 = -: Datasheet: https://wmsc.lcsc.com/wmsc/upload/file/pdf/v2/lcsc/1811141531_JST-S02B-XASS-1N-BN-LF-SN_C161669.pdf; Description: JST pin header (standard) XA total number of poles 2 Pitch: 2.50mm S02B-XASS-1N-BN(LF)(SN); MF: JST; MPN: S02B-XASS-1N-BN(LF)(SN); OC_LCSC: C161669; OC_RS: 175-4729
X3 = -: Datasheet: https://wmsc.lcsc.com/wmsc/upload/file/pdf/v2/lcsc/2006051707_JST-S08B-XASK-1-LF-SN_C495695.pdf; Description: JST pin header (standard) XA total number of poles 8 Pitch: 2.50mm S08B-XASK-1 (LF)(SN); MF: JST; MPN: S08B-XASK-1(LF)(SN); OC_LCSC: C495695; OC_RS: 602-8290
X4-X11 = -: Datasheet: https://docs.rs-online.com/9031/0900766b813c3b99.pdf; Description: Molex Micro-Fit 3.0 Leiterplatten-Stiftleiste Gerade, 3-polig / 1-reihig, Raster 3.0mm, Kabel-Platine; MF: Molex; MPN: 43650-0316; OC_RS: 670-4723
